# KiCad board SparkFun_BlueSMiRF-ESP32-PTH_panelized.kicad_pcb (continued)
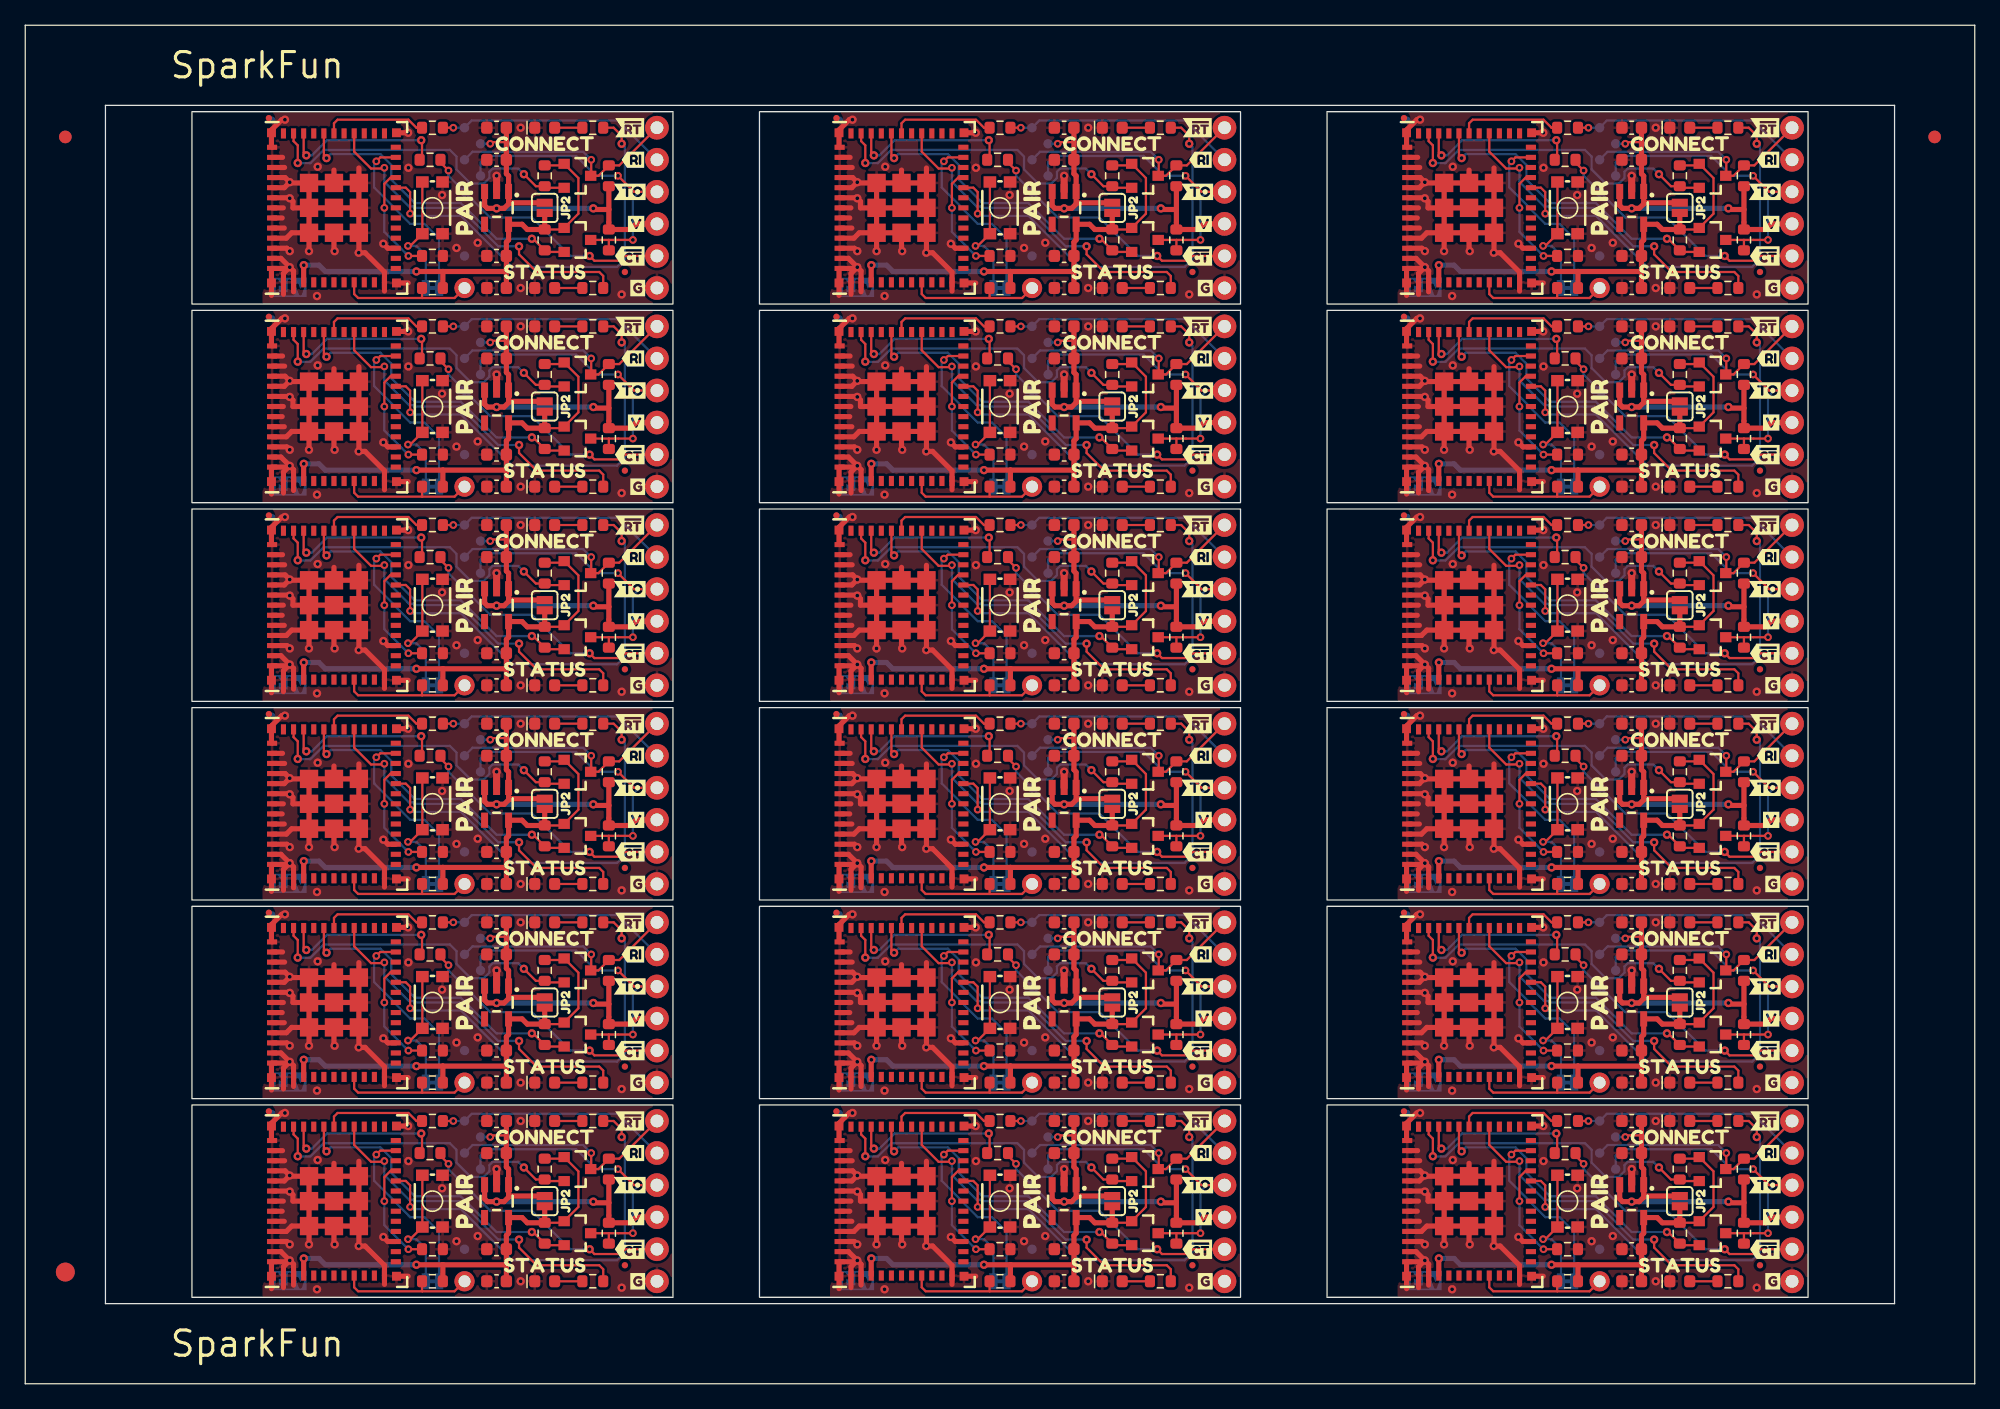
[diagram p0: board, top side]
## Placement (name value [footprint] x y rotation side) (continued)
kibuzzard-654D17D1#15  G***  [kibuzzard-654D17D1]  138.41 8.12 0 top
kibuzzard-654D17D1#16  G***  [kibuzzard-654D17D1]  138.41 39.6 0 top
kibuzzard-654D17D1#17  G***  [kibuzzard-654D17D1]  138.41 71.08 0 top
kibuzzard-654D17D1#18  G***  [kibuzzard-654D17D1]  48.51 8.12 0 top
kibuzzard-655A5C47  G***  [kibuzzard-655A5C47]  42.79 61.69 90 top
kibuzzard-655A5C47#2  G***  [kibuzzard-655A5C47]  87.74 45.95 90 top
kibuzzard-655A5C47#3  G***  [kibuzzard-655A5C47]  87.74 14.47 90 top
kibuzzard-655A5C47#4  G***  [kibuzzard-655A5C47]  42.79 30.21 90 top
kibuzzard-655A5C47#5  G***  [kibuzzard-655A5C47]  42.79 45.95 90 top
kibuzzard-655A5C47#6  G***  [kibuzzard-655A5C47]  42.79 77.43 90 top
kibuzzard-655A5C47#7  G***  [kibuzzard-655A5C47]  42.79 93.17 90 top
kibuzzard-655A5C47#8  G***  [kibuzzard-655A5C47]  87.74 30.21 90 top
kibuzzard-655A5C47#9  G***  [kibuzzard-655A5C47]  132.69 30.21 90 top
kibuzzard-655A5C47#10  G***  [kibuzzard-655A5C47]  132.69 61.69 90 top
kibuzzard-655A5C47#11  G***  [kibuzzard-655A5C47]  87.74 93.17 90 top
kibuzzard-655A5C47#12  G***  [kibuzzard-655A5C47]  87.74 61.69 90 top
kibuzzard-655A5C47#13  G***  [kibuzzard-655A5C47]  87.74 77.43 90 top
kibuzzard-655A5C47#14  G***  [kibuzzard-655A5C47]  132.69 14.47 90 top
kibuzzard-655A5C47#15  G***  [kibuzzard-655A5C47]  132.69 45.95 90 top
kibuzzard-655A5C47#16  G***  [kibuzzard-655A5C47]  132.69 77.43 90 top
kibuzzard-655A5C47#17  G***  [kibuzzard-655A5C47]  132.69 93.17 90 top
kibuzzard-655A5C47#18  G***  [kibuzzard-655A5C47]  42.79 14.47 90 top
kibuzzard-655A43AA  G***  [kibuzzard-655A43AA]  46.98 52.3 180 bottom
kibuzzard-655A43AA#2  G***  [kibuzzard-655A43AA]  46.98 83.78 180 bottom
kibuzzard-655A43AA#3  G***  [kibuzzard-655A43AA]  91.93 36.56 180 bottom
kibuzzard-655A43AA#4  G***  [kibuzzard-655A43AA]  91.93 20.82 180 bottom
kibuzzard-655A43AA#5  G***  [kibuzzard-655A43AA]  136.88 36.56 180 bottom
kibuzzard-655A43AA#6  G***  [kibuzzard-655A43AA]  136.88 99.52 180 bottom
kibuzzard-655A43AA#7  G***  [kibuzzard-655A43AA]  91.93 68.04 180 bottom
kibuzzard-655A43AA#8  G***  [kibuzzard-655A43AA]  136.88 20.82 180 bottom
kibuzzard-655A43AA#9  G***  [kibuzzard-655A43AA]  46.98 36.56 180 bottom
kibuzzard-655A43AA#10  G***  [kibuzzard-655A43AA]  46.98 68.04 180 bottom
kibuzzard-655A43AA#11  G***  [kibuzzard-655A43AA]  46.98 99.52 180 bottom
kibuzzard-655A43AA#12  G***  [kibuzzard-655A43AA]  91.93 52.3 180 bottom
kibuzzard-655A43AA#13  G***  [kibuzzard-655A43AA]  91.93 83.78 180 bottom
kibuzzard-655A43AA#14  G***  [kibuzzard-655A43AA]  91.93 99.52 180 bottom
kibuzzard-655A43AA#15  G***  [kibuzzard-655A43AA]  136.88 52.3 180 bottom
kibuzzard-655A43AA#16  G***  [kibuzzard-655A43AA]  136.88 68.04 180 bottom
kibuzzard-655A43AA#17  G***  [kibuzzard-655A43AA]  136.88 83.78 180 bottom
kibuzzard-655A43AA#18  G***  [kibuzzard-655A43AA]  46.98 20.82 180 bottom
kibuzzard-655A44E1  G***  [kibuzzard-655A44E1]  92.82 78.7 0 top
kibuzzard-655A44E1#2  G***  [kibuzzard-655A44E1]  47.87 47.22 0 top
kibuzzard-655A44E1#3  G***  [kibuzzard-655A44E1]  47.87 62.96 0 top
kibuzzard-655A44E1#4  G***  [kibuzzard-655A44E1]  47.87 94.44 0 top
kibuzzard-655A44E1#5  G***  [kibuzzard-655A44E1]  47.87 78.7 0 top
kibuzzard-655A44E1#6  G***  [kibuzzard-655A44E1]  92.82 31.48 0 top
kibuzzard-655A44E1#7  G***  [kibuzzard-655A44E1]  92.82 62.96 0 top
kibuzzard-655A44E1#8  G***  [kibuzzard-655A44E1]  92.82 15.74 0 top
kibuzzard-655A44E1#9  G***  [kibuzzard-655A44E1]  47.87 31.48 0 top
kibuzzard-655A44E1#10  G***  [kibuzzard-655A44E1]  92.82 47.22 0 top
kibuzzard-655A44E1#11  G***  [kibuzzard-655A44E1]  92.82 94.44 0 top
kibuzzard-655A44E1#12  G***  [kibuzzard-655A44E1]  137.77 78.7 0 top
kibuzzard-655A44E1#13  G***  [kibuzzard-655A44E1]  137.77 31.48 0 top
kibuzzard-655A44E1#14  G***  [kibuzzard-655A44E1]  137.77 15.74 0 top
kibuzzard-655A44E1#15  G***  [kibuzzard-655A44E1]  137.77 94.44 0 top
kibuzzard-655A44E1#16  G***  [kibuzzard-655A44E1]  137.77 47.22 0 top
kibuzzard-655A44E1#17  G***  [kibuzzard-655A44E1]  137.77 62.96 0 top
kibuzzard-655A44E1#18  G***  [kibuzzard-655A44E1]  47.87 15.74 0 top
kibuzzard-655A45F8  G***  [kibuzzard-655A45F8]  81.9 8.12 180 bottom
kibuzzard-655A45F8#2  G***  [kibuzzard-655A45F8]  81.9 55.34 180 bottom
kibuzzard-655A45F8#3  G***  [kibuzzard-655A45F8]  81.9 39.6 180 bottom
kibuzzard-655A45F8#4  G***  [kibuzzard-655A45F8]  126.85 39.6 180 bottom
kibuzzard-655A45F8#5  G***  [kibuzzard-655A45F8]  81.9 86.82 180 bottom
kibuzzard-655A45F8#6  G***  [kibuzzard-655A45F8]  36.95 55.34 180 bottom
kibuzzard-655A45F8#7  G***  [kibuzzard-655A45F8]  36.95 71.08 180 bottom
kibuzzard-655A45F8#8  G***  [kibuzzard-655A45F8]  36.95 23.86 180 bottom
kibuzzard-655A45F8#9  G***  [kibuzzard-655A45F8]  36.95 39.6 180 bottom
kibuzzard-655A45F8#10  G***  [kibuzzard-655A45F8]  36.95 86.82 180 bottom
kibuzzard-655A45F8#11  G***  [kibuzzard-655A45F8]  81.9 23.86 180 bottom
kibuzzard-655A45F8#12  G***  [kibuzzard-655A45F8]  81.9 71.08 180 bottom
kibuzzard-655A45F8#13  G***  [kibuzzard-655A45F8]  126.85 8.12 180 bottom
kibuzzard-655A45F8#14  G***  [kibuzzard-655A45F8]  126.85 23.86 180 bottom
kibuzzard-655A45F8#15  G***  [kibuzzard-655A45F8]  126.85 71.08 180 bottom
kibuzzard-655A45F8#16  G***  [kibuzzard-655A45F8]  126.85 86.82 180 bottom
kibuzzard-655A45F8#17  G***  [kibuzzard-655A45F8]  126.85 55.34 180 bottom
kibuzzard-655A45F8#18  G***  [kibuzzard-655A45F8]  36.95 8.12 180 bottom
kibuzzard-655A444A  G***  [kibuzzard-655A444A]  48.12 34.02 0 top
kibuzzard-655A444A#2  G***  [kibuzzard-655A444A]  48.12 65.5 0 top
kibuzzard-655A444A#3  G***  [kibuzzard-655A444A]  93.07 96.98 0 top
kibuzzard-655A444A#4  G***  [kibuzzard-655A444A]  138.03 65.5 0 top
kibuzzard-655A444A#5  G***  [kibuzzard-655A444A]  93.07 34.02 0 top
kibuzzard-655A444A#6  G***  [kibuzzard-655A444A]  93.07 81.24 0 top
kibuzzard-655A444A#7  G***  [kibuzzard-655A444A]  48.12 96.98 0 top
kibuzzard-655A444A#8  G***  [kibuzzard-655A444A]  93.07 65.5 0 top
kibuzzard-655A444A#9  G***  [kibuzzard-655A444A]  138.03 18.28 0 top
kibuzzard-655A444A#10  G***  [kibuzzard-655A444A]  93.07 18.28 0 top
kibuzzard-655A444A#11  G***  [kibuzzard-655A444A]  138.03 81.24 0 top
kibuzzard-655A444A#12  G***  [kibuzzard-655A444A]  138.03 34.02 0 top
kibuzzard-655A444A#13  G***  [kibuzzard-655A444A]  48.12 81.24 0 top
kibuzzard-655A444A#14  G***  [kibuzzard-655A444A]  48.12 49.76 0 top
kibuzzard-655A444A#15  G***  [kibuzzard-655A444A]  93.07 49.76 0 top
kibuzzard-655A444A#16  G***  [kibuzzard-655A444A]  138.03 49.76 0 top
kibuzzard-655A444A#17  G***  [kibuzzard-655A444A]  138.03 96.98 0 top
kibuzzard-655A444A#18  G***  [kibuzzard-655A444A]  48.12 18.28 0 top
kibuzzard-655A532D  G***  [kibuzzard-655A532D]  135.99 28.94 180 bottom
kibuzzard-655A532D#2  G***  [kibuzzard-655A532D]  91.04 76.16 180 bottom
kibuzzard-655A532D#3  G***  [kibuzzard-655A532D]  91.04 13.2 180 bottom
kibuzzard-655A532D#4  G***  [kibuzzard-655A532D]  135.99 60.42 180 bottom
kibuzzard-655A532D#5  G***  [kibuzzard-655A532D]  135.99 91.9 180 bottom
kibuzzard-655A532D#6  G***  [kibuzzard-655A532D]  46.09 28.94 180 bottom
kibuzzard-655A532D#7  G***  [kibuzzard-655A532D]  46.09 76.16 180 bottom
kibuzzard-655A532D#8  G***  [kibuzzard-655A532D]  91.04 91.9 180 bottom
kibuzzard-655A532D#9  G***  [kibuzzard-655A532D]  46.09 60.42 180 bottom
kibuzzard-655A532D#10  G***  [kibuzzard-655A532D]  46.09 91.9 180 bottom
kibuzzard-655A532D#11  G***  [kibuzzard-655A532D]  91.04 28.94 180 bottom
kibuzzard-655A532D#12  G***  [kibuzzard-655A532D]  135.99 44.68 180 bottom
kibuzzard-655A532D#13  G***  [kibuzzard-655A532D]  46.09 44.68 180 bottom
kibuzzard-655A532D#14  G***  [kibuzzard-655A532D]  91.04 60.42 180 bottom
kibuzzard-655A532D#15  G***  [kibuzzard-655A532D]  135.99 13.2 180 bottom
kibuzzard-655A532D#16  G***  [kibuzzard-655A532D]  91.04 44.68 180 bottom
kibuzzard-655A532D#17  G***  [kibuzzard-655A532D]  135.99 76.16 180 bottom
kibuzzard-655A532D#18  G***  [kibuzzard-655A532D]  46.09 13.2 180 bottom
kibuzzard-655A4368  G***  [kibuzzard-655A4368]  137.77 99.52 0 top
kibuzzard-655A4368#2  G***  [kibuzzard-655A4368]  137.77 83.78 0 top
kibuzzard-655A4368#3  G***  [kibuzzard-655A4368]  137.77 20.82 0 top
kibuzzard-655A4368#4  G***  [kibuzzard-655A4368]  92.82 20.82 0 top
kibuzzard-655A4368#5  G***  [kibuzzard-655A4368]  137.77 52.3 0 top
kibuzzard-655A4368#6  G***  [kibuzzard-655A4368]  47.87 36.56 0 top
kibuzzard-655A4368#7  G***  [kibuzzard-655A4368]  47.87 99.52 0 top
kibuzzard-655A4368#8  G***  [kibuzzard-655A4368]  47.87 52.3 0 top
kibuzzard-655A4368#9  G***  [kibuzzard-655A4368]  47.87 83.78 0 top
kibuzzard-655A4368#10  G***  [kibuzzard-655A4368]  92.82 36.56 0 top
kibuzzard-655A4368#11  G***  [kibuzzard-655A4368]  92.82 52.3 0 top
kibuzzard-655A4368#12  G***  [kibuzzard-655A4368]  92.82 68.04 0 top
kibuzzard-655A4368#13  G***  [kibuzzard-655A4368]  92.82 83.78 0 top
kibuzzard-655A4368#14  G***  [kibuzzard-655A4368]  47.87 68.04 0 top
kibuzzard-655A4368#15  G***  [kibuzzard-655A4368]  92.82 99.52 0 top
kibuzzard-655A4368#16  G***  [kibuzzard-655A4368]  137.77 36.56 0 top
kibuzzard-655A4368#17  G***  [kibuzzard-655A4368]  137.77 68.04 0 top
kibuzzard-655A4368#18  G***  [kibuzzard-655A4368]  47.87 20.82 0 top
kibuzzard-655A4384  G***  [kibuzzard-655A4384]  47.87 26.4 0 top
kibuzzard-655A4384#2  G***  [kibuzzard-655A4384]  47.87 42.14 0 top
kibuzzard-655A4384#3  G***  [kibuzzard-655A4384]  47.87 73.62 0 top
kibuzzard-655A4384#4  G***  [kibuzzard-655A4384]  47.87 89.36 0 top
kibuzzard-655A4384#5  G***  [kibuzzard-655A4384]  92.82 10.66 0 top
kibuzzard-655A4384#6  G***  [kibuzzard-655A4384]  47.87 57.88 0 top
kibuzzard-655A4384#7  G***  [kibuzzard-655A4384]  137.77 42.14 0 top
kibuzzard-655A4384#8  G***  [kibuzzard-655A4384]  92.82 89.36 0 top
kibuzzard-655A4384#9  G***  [kibuzzard-655A4384]  137.77 73.62 0 top
kibuzzard-655A4384#10  G***  [kibuzzard-655A4384]  92.82 42.14 0 top
kibuzzard-655A4384#11  G***  [kibuzzard-655A4384]  137.77 10.66 0 top
kibuzzard-655A4384#12  G***  [kibuzzard-655A4384]  92.82 57.88 0 top
kibuzzard-655A4384#13  G***  [kibuzzard-655A4384]  92.82 73.62 0 top
kibuzzard-655A4384#14  G***  [kibuzzard-655A4384]  137.77 26.4 0 top
kibuzzard-655A4384#15  G***  [kibuzzard-655A4384]  137.77 89.36 0 top
kibuzzard-655A4384#16  G***  [kibuzzard-655A4384]  92.82 26.4 0 top
kibuzzard-655A4384#17  G***  [kibuzzard-655A4384]  137.77 57.88 0 top
kibuzzard-655A4384#18  G***  [kibuzzard-655A4384]  47.87 10.66 0 top
kibuzzard-655A4397  G***  [kibuzzard-655A4397]  46.98 26.4 180 bottom
kibuzzard-655A4397#2  G***  [kibuzzard-655A4397]  46.98 73.62 180 bottom
kibuzzard-655A4397#3  G***  [kibuzzard-655A4397]  91.93 10.66 180 bottom
kibuzzard-655A4397#4  G***  [kibuzzard-655A4397]  91.93 42.14 180 bottom
kibuzzard-655A4397#5  G***  [kibuzzard-655A4397]  46.98 42.14 180 bottom
kibuzzard-655A4397#6  G***  [kibuzzard-655A4397]  46.98 57.88 180 bottom
kibuzzard-655A4397#7  G***  [kibuzzard-655A4397]  46.98 89.36 180 bottom
kibuzzard-655A4397#8  G***  [kibuzzard-655A4397]  91.93 26.4 180 bottom
kibuzzard-655A4397#9  G***  [kibuzzard-655A4397]  136.88 42.14 180 bottom
kibuzzard-655A4397#10  G***  [kibuzzard-655A4397]  136.88 89.36 180 bottom
kibuzzard-655A4397#11  G***  [kibuzzard-655A4397]  91.93 57.88 180 bottom
kibuzzard-655A4397#12  G***  [kibuzzard-655A4397]  136.88 57.88 180 bottom
kibuzzard-655A4397#13  G***  [kibuzzard-655A4397]  136.88 73.62 180 bottom
kibuzzard-655A4397#14  G***  [kibuzzard-655A4397]  136.88 26.4 180 bottom
kibuzzard-655A4397#15  G***  [kibuzzard-655A4397]  136.88 10.66 180 bottom
kibuzzard-655A4397#16  G***  [kibuzzard-655A4397]  91.93 73.62 180 bottom
kibuzzard-655A4397#17  G***  [kibuzzard-655A4397]  91.93 89.36 180 bottom
kibuzzard-655A4397#18  G***  [kibuzzard-655A4397]  46.98 10.66 180 bottom
kibuzzard-655A4470  G***  [kibuzzard-655A4470]  137.26 49.76 180 bottom
kibuzzard-655A4470#2  G***  [kibuzzard-655A4470]  137.26 81.24 180 bottom
kibuzzard-655A4470#3  G***  [kibuzzard-655A4470]  47.36 65.5 180 bottom
kibuzzard-655A4470#4  G***  [kibuzzard-655A4470]  47.36 81.24 180 bottom
kibuzzard-655A4470#5  G***  [kibuzzard-655A4470]  137.26 34.02 180 bottom
kibuzzard-655A4470#6  G***  [kibuzzard-655A4470]  47.36 34.02 180 bottom
kibuzzard-655A4470#7  G***  [kibuzzard-655A4470]  47.36 49.76 180 bottom
kibuzzard-655A4470#8  G***  [kibuzzard-655A4470]  47.36 96.98 180 bottom
kibuzzard-655A4470#9  G***  [kibuzzard-655A4470]  92.31 18.28 180 bottom
kibuzzard-655A4470#10  G***  [kibuzzard-655A4470]  137.26 18.28 180 bottom
kibuzzard-655A4470#11  G***  [kibuzzard-655A4470]  92.31 81.24 180 bottom
kibuzzard-655A4470#12  G***  [kibuzzard-655A4470]  92.31 34.02 180 bottom
kibuzzard-655A4470#13  G***  [kibuzzard-655A4470]  92.31 49.76 180 bottom
kibuzzard-655A4470#14  G***  [kibuzzard-655A4470]  92.31 96.98 180 bottom
kibuzzard-655A4470#15  G***  [kibuzzard-655A4470]  92.31 65.5 180 bottom
kibuzzard-655A4470#16  G***  [kibuzzard-655A4470]  137.26 65.5 180 bottom
kibuzzard-655A4470#17  G***  [kibuzzard-655A4470]  137.26 96.98 180 bottom
kibuzzard-655A4470#18  G***  [kibuzzard-655A4470]  47.36 18.28 180 bottom
kibuzzard-655A4492  G***  [kibuzzard-655A4492]  91.93 47.22 180 bottom
kibuzzard-655A4492#2  G***  [kibuzzard-655A4492]  136.88 15.74 180 bottom
kibuzzard-655A4492#3  G***  [kibuzzard-655A4492]  91.93 31.48 180 bottom
kibuzzard-655A4492#4  G***  [kibuzzard-655A4492]  136.88 47.22 180 bottom
kibuzzard-655A4492#5  G***  [kibuzzard-655A4492]  46.98 31.48 180 bottom
kibuzzard-655A4492#6  G***  [kibuzzard-655A4492]  46.98 47.22 180 bottom
kibuzzard-655A4492#7  G***  [kibuzzard-655A4492]  46.98 62.96 180 bottom
kibuzzard-655A4492#8  G***  [kibuzzard-655A4492]  46.98 94.44 180 bottom
kibuzzard-655A4492#9  G***  [kibuzzard-655A4492]  91.93 15.74 180 bottom
kibuzzard-655A4492#10  G***  [kibuzzard-655A4492]  91.93 78.7 180 bottom
kibuzzard-655A4492#11  G***  [kibuzzard-655A4492]  91.93 94.44 180 bottom
kibuzzard-655A4492#12  G***  [kibuzzard-655A4492]  136.88 31.48 180 bottom
kibuzzard-655A4492#13  G***  [kibuzzard-655A4492]  136.88 78.7 180 bottom
kibuzzard-655A4492#14  G***  [kibuzzard-655A4492]  136.88 94.44 180 bottom
kibuzzard-655A4492#15  G***  [kibuzzard-655A4492]  46.98 78.7 180 bottom
kibuzzard-655A4492#16  G***  [kibuzzard-655A4492]  91.93 62.96 180 bottom
kibuzzard-655A4492#17  G***  [kibuzzard-655A4492]  136.88 62.96 180 bottom
kibuzzard-655A4492#18  G***  [kibuzzard-655A4492]  46.98 15.74 180 bottom
kibuzzard-65022EAF  G***  [kibuzzard-65022EAF]  47.24 39.6 180 bottom
kibuzzard-65022EAF#2  G***  [kibuzzard-65022EAF]  47.24 23.86 180 bottom
kibuzzard-65022EAF#3  G***  [kibuzzard-65022EAF]  137.14 39.6 180 bottom
kibuzzard-65022EAF#4  G***  [kibuzzard-65022EAF]  92.19 86.82 180 bottom
kibuzzard-65022EAF#5  G***  [kibuzzard-65022EAF]  92.19 23.86 180 bottom
kibuzzard-65022EAF#6  G***  [kibuzzard-65022EAF]  47.24 86.82 180 bottom
kibuzzard-65022EAF#7  G***  [kibuzzard-65022EAF]  137.14 8.12 180 bottom
kibuzzard-65022EAF#8  G***  [kibuzzard-65022EAF]  137.14 23.86 180 bottom
kibuzzard-65022EAF#9  G***  [kibuzzard-65022EAF]  92.19 39.6 180 bottom
kibuzzard-65022EAF#10  G***  [kibuzzard-65022EAF]  92.19 71.08 180 bottom
kibuzzard-65022EAF#11  G***  [kibuzzard-65022EAF]  137.14 86.82 180 bottom
kibuzzard-65022EAF#12  G***  [kibuzzard-65022EAF]  47.24 55.34 180 bottom
kibuzzard-65022EAF#13  G***  [kibuzzard-65022EAF]  92.19 8.12 180 bottom
kibuzzard-65022EAF#14  G***  [kibuzzard-65022EAF]  47.24 71.08 180 bottom
kibuzzard-65022EAF#15  G***  [kibuzzard-65022EAF]  92.19 55.34 180 bottom
kibuzzard-65022EAF#16  G***  [kibuzzard-65022EAF]  137.14 55.34 180 bottom
kibuzzard-65022EAF#17  G***  [kibuzzard-65022EAF]  137.14 71.08 180 bottom
kibuzzard-65022EAF#18  G***  [kibuzzard-65022EAF]  47.24 8.12 180 bottom
kibuzzard-65022F1B  G***  [kibuzzard-65022F1B]  29.33 23.85 180 bottom
kibuzzard-65022F1B#2  G***  [kibuzzard-65022F1B]  29.33 39.59 180 bottom
kibuzzard-65022F1B#3  G***  [kibuzzard-65022F1B]  119.23 23.85 180 bottom
kibuzzard-65022F1B#4  G***  [kibuzzard-65022F1B]  119.23 86.81 180 bottom
kibuzzard-65022F1B#5  G***  [kibuzzard-65022F1B]  74.28 8.11 180 bottom
kibuzzard-65022F1B#6  G***  [kibuzzard-65022F1B]  119.23 55.33 180 bottom
kibuzzard-65022F1B#7  G***  [kibuzzard-65022F1B]  119.23 39.59 180 bottom
kibuzzard-65022F1B#8  G***  [kibuzzard-65022F1B]  74.28 39.59 180 bottom
kibuzzard-65022F1B#9  G***  [kibuzzard-65022F1B]  29.33 55.33 180 bottom
kibuzzard-65022F1B#10  G***  [kibuzzard-65022F1B]  74.28 86.81 180 bottom
kibuzzard-65022F1B#11  G***  [kibuzzard-65022F1B]  74.28 55.33 180 bottom
kibuzzard-65022F1B#12  G***  [kibuzzard-65022F1B]  29.33 86.81 180 bottom
kibuzzard-65022F1B#13  G***  [kibuzzard-65022F1B]  74.28 71.07 180 bottom
kibuzzard-65022F1B#14  G***  [kibuzzard-65022F1B]  119.23 71.07 180 bottom
kibuzzard-65022F1B#15  G***  [kibuzzard-65022F1B]  74.28 23.85 180 bottom
kibuzzard-65022F1B#16  G***  [kibuzzard-65022F1B]  29.33 71.07 180 bottom
kibuzzard-65022F1B#17  G***  [kibuzzard-65022F1B]  119.23 8.11 180 bottom
kibuzzard-65022F1B#18  G***  [kibuzzard-65022F1B]  29.33 8.11 180 bottom
kibuzzard-6502231B  G***  [kibuzzard-6502231B]  79.74 30.21 90 top
kibuzzard-6502231B#2  G***  [kibuzzard-6502231B]  79.74 93.17 90 top
kibuzzard-6502231B#3  G***  [kibuzzard-6502231B]  124.69 30.21 90 top
kibuzzard-6502231B#4  G***  [kibuzzard-6502231B]  124.69 61.69 90 top
kibuzzard-6502231B#5  G***  [kibuzzard-6502231B]  79.74 45.95 90 top
kibuzzard-6502231B#6  G***  [kibuzzard-6502231B]  34.79 45.95 90 top
kibuzzard-6502231B#7  G***  [kibuzzard-6502231B]  79.74 14.47 90 top
kibuzzard-6502231B#8  G***  [kibuzzard-6502231B]  79.74 61.69 90 top
kibuzzard-6502231B#9  G***  [kibuzzard-6502231B]  34.79 77.43 90 top
kibuzzard-6502231B#10  G***  [kibuzzard-6502231B]  34.79 61.69 90 top
kibuzzard-6502231B#11  G***  [kibuzzard-6502231B]  34.79 93.17 90 top
kibuzzard-6502231B#12  G***  [kibuzzard-6502231B]  34.79 30.21 90 top
kibuzzard-6502231B#13  G***  [kibuzzard-6502231B]  79.74 77.43 90 top
kibuzzard-6502231B#14  G***  [kibuzzard-6502231B]  124.69 14.47 90 top
kibuzzard-6502231B#15  G***  [kibuzzard-6502231B]  124.69 45.95 90 top
kibuzzard-6502231B#16  G***  [kibuzzard-6502231B]  124.69 93.17 90 top
kibuzzard-6502231B#17  G***  [kibuzzard-6502231B]  124.69 77.43 90 top
kibuzzard-6502231B#18  G***  [kibuzzard-6502231B]  34.79 14.47 90 top
kibuzzard-6502302E  G***  [kibuzzard-6502302E]  86.09 19.55 0 top
kibuzzard-6502302E#2  G***  [kibuzzard-6502302E]  41.14 35.29 0 top
kibuzzard-6502302E#3  G***  [kibuzzard-6502302E]  86.09 35.29 0 top
kibuzzard-6502302E#4  G***  [kibuzzard-6502302E]  131.04 66.77 0 top
kibuzzard-6502302E#5  G***  [kibuzzard-6502302E]  41.14 98.25 0 top
kibuzzard-6502302E#6  G***  [kibuzzard-6502302E]  131.04 51.03 0 top
kibuzzard-6502302E#7  G***  [kibuzzard-6502302E]  86.09 51.03 0 top
kibuzzard-6502302E#8  G***  [kibuzzard-6502302E]  131.04 98.25 0 top
kibuzzard-6502302E#9  G***  [kibuzzard-6502302E]  41.14 82.51 0 top
kibuzzard-6502302E#10  G***  [kibuzzard-6502302E]  41.14 51.03 0 top
kibuzzard-6502302E#11  G***  [kibuzzard-6502302E]  86.09 66.77 0 top
kibuzzard-6502302E#12  G***  [kibuzzard-6502302E]  86.09 98.25 0 top
kibuzzard-6502302E#13  G***  [kibuzzard-6502302E]  131.04 19.55 0 top
kibuzzard-6502302E#14  G***  [kibuzzard-6502302E]  41.14 66.77 0 top
kibuzzard-6502302E#15  G***  [kibuzzard-6502302E]  86.09 82.51 0 top
kibuzzard-6502302E#16  G***  [kibuzzard-6502302E]  131.04 35.29 0 top
kibuzzard-6502302E#17  G***  [kibuzzard-6502302E]  131.04 82.51 0 top
kibuzzard-6502302E#18  G***  [kibuzzard-6502302E]  41.14 19.55 0 top
kibuzzard-65023040  G***  [kibuzzard-65023040]  131.04 25.13 0 top
kibuzzard-65023040#2  G***  [kibuzzard-65023040]  86.09 72.35 0 top
kibuzzard-65023040#3  G***  [kibuzzard-65023040]  86.09 9.39 0 top
kibuzzard-65023040#4  G***  [kibuzzard-65023040]  86.09 40.87 0 top
kibuzzard-65023040#5  G***  [kibuzzard-65023040]  86.09 25.13 0 top
kibuzzard-65023040#6  G***  [kibuzzard-65023040]  131.04 72.35 0 top
kibuzzard-65023040#7  G***  [kibuzzard-65023040]  41.14 40.87 0 top
kibuzzard-65023040#8  G***  [kibuzzard-65023040]  131.04 40.87 0 top
kibuzzard-65023040#9  G***  [kibuzzard-65023040]  41.14 88.09 0 top
kibuzzard-65023040#10  G***  [kibuzzard-65023040]  86.09 88.09 0 top
kibuzzard-65023040#11  G***  [kibuzzard-65023040]  41.14 56.61 0 top
kibuzzard-65023040#12  G***  [kibuzzard-65023040]  131.04 9.39 0 top
kibuzzard-65023040#13  G***  [kibuzzard-65023040]  86.09 56.61 0 top
kibuzzard-65023040#14  G***  [kibuzzard-65023040]  41.14 72.35 0 top
kibuzzard-65023040#15  G***  [kibuzzard-65023040]  131.04 56.61 0 top
kibuzzard-65023040#16  G***  [kibuzzard-65023040]  131.04 88.09 0 top
kibuzzard-65023040#17  G***  [kibuzzard-65023040]  41.14 25.13 0 top
kibuzzard-65023040#18  G***  [kibuzzard-65023040]  41.14 9.39 0 top
NOREF  -  [Fiducial_1mm_Mask3mm]  3.17 98.79 0 top
NOREF#2  -  [Fiducial_1mm_Mask3mm]  151.22 98.79 0 top
NOREF#3  -  [Fiducial_1.5mm_Mask3mm]  3.17 8.85 0 top
NOREF#4  -  [Fiducial_1.5mm_Mask3mm]  3.17 8.85 0 bottom
NOREF#5  -  [Fiducial_1mm_Mask3mm]  3.17 98.79 0 bottom
NOREF#6  -  [Fiducial_1mm_Mask3mm]  151.22 98.79 0 bottom
Q1  Q_NMOS_DGS  [SOT23-3]  133.58 27.67 0 top
Q1#2  Q_NMOS_DGS  [SOT23-3]  133.58 43.41 0 top
Q1#3  Q_NMOS_DGS  [SOT23-3]  88.63 43.41 0 top
Q1#4  Q_NMOS_DGS  [SOT23-3]  133.58 90.63 0 top
Q1#5  Q_NMOS_DGS  [SOT23-3]  43.68 43.41 0 top
Q1#6  Q_NMOS_DGS  [SOT23-3]  88.63 59.15 0 top
Q1#7  Q_NMOS_DGS  [SOT23-3]  88.63 27.67 0 top
Q1#8  Q_NMOS_DGS  [SOT23-3]  43.68 74.89 0 top
Q1#9  Q_NMOS_DGS  [SOT23-3]  43.68 90.63 0 top
Q1#10  Q_NMOS_DGS  [SOT23-3]  88.63 90.63 0 top
Q1#11  Q_NMOS_DGS  [SOT23-3]  133.58 11.93 0 top
Q1#12  Q_NMOS_DGS  [SOT23-3]  88.63 11.93 0 top
Q1#13  Q_NMOS_DGS  [SOT23-3]  43.68 27.67 0 top
Q1#14  Q_NMOS_DGS  [SOT23-3]  43.68 59.15 0 top
Q1#15  Q_NMOS_DGS  [SOT23-3]  88.63 74.89 0 top
Q1#16  Q_NMOS_DGS  [SOT23-3]  133.58 59.15 0 top
Q1#17  Q_NMOS_DGS  [SOT23-3]  133.58 74.89 0 top
Q1#18  Q_NMOS_DGS  [SOT23-3]  43.68 11.93 0 top
Q2  Q_NMOS_DGS  [SOT23-3]  43.68 79.97 0 top
Q2#2  Q_NMOS_DGS  [SOT23-3]  88.63 79.97 0 top
Q2#3  Q_NMOS_DGS  [SOT23-3]  43.68 32.75 0 top
Q2#4  Q_NMOS_DGS  [SOT23-3]  88.63 64.23 0 top
Q2#5  Q_NMOS_DGS  [SOT23-3]  133.58 79.97 0 top
Q2#6  Q_NMOS_DGS  [SOT23-3]  43.68 64.23 0 top
Q2#7  Q_NMOS_DGS  [SOT23-3]  43.68 95.71 0 top
Q2#8  Q_NMOS_DGS  [SOT23-3]  88.63 17.01 0 top
Q2#9  Q_NMOS_DGS  [SOT23-3]  43.68 48.49 0 top
Q2#10  Q_NMOS_DGS  [SOT23-3]  88.63 32.75 0 top
Q2#11  Q_NMOS_DGS  [SOT23-3]  88.63 48.49 0 top
Q2#12  Q_NMOS_DGS  [SOT23-3]  88.63 95.71 0 top
Q2#13  Q_NMOS_DGS  [SOT23-3]  133.58 17.01 0 top
Q2#14  Q_NMOS_DGS  [SOT23-3]  133.58 32.75 0 top
Q2#15  Q_NMOS_DGS  [SOT23-3]  133.58 48.49 0 top
Q2#16  Q_NMOS_DGS  [SOT23-3]  133.58 64.23 0 top
Q2#17  Q_NMOS_DGS  [SOT23-3]  133.58 95.71 0 top
Q2#18  Q_NMOS_DGS  [SOT23-3]  43.68 17.01 0 top
R1  4.7k  [R_0603_1608Metric]  122.15 86.82 180 top
R1#2  4.7k  [R_0603_1608Metric]  77.2 39.6 180 top
R1#3  4.7k  [R_0603_1608Metric]  122.15 71.08 180 top
R1#4  4.7k  [R_0603_1608Metric]  77.2 86.82 180 top
R1#5  4.7k  [R_0603_1608Metric]  77.2 71.08 180 top
R1#6  4.7k  [R_0603_1608Metric]  122.15 23.86 180 top
R1#7  4.7k  [R_0603_1608Metric]  77.2 55.34 180 top
R1#8  4.7k  [R_0603_1608Metric]  122.15 39.6 180 top
R1#9  4.7k  [R_0603_1608Metric]  122.15 8.12 180 top
R1#10  4.7k  [R_0603_1608Metric]  122.15 55.34 180 top
R1#11  4.7k  [R_0603_1608Metric]  32.25 23.86 180 top
R1#12  4.7k  [R_0603_1608Metric]  32.25 71.08 180 top
R1#13  4.7k  [R_0603_1608Metric]  32.25 86.82 180 top
R1#14  4.7k  [R_0603_1608Metric]  77.2 23.86 180 top
R1#15  4.7k  [R_0603_1608Metric]  32.25 39.6 180 top
R1#16  4.7k  [R_0603_1608Metric]  32.25 55.34 180 top
R1#17  4.7k  [R_0603_1608Metric]  77.2 8.12 180 top
R1#18  4.7k  [R_0603_1608Metric]  32.25 8.12 180 top
R2  10k  [R_0603_1608Metric]  32.25 57.88 0 top
R2#2  10k  [R_0603_1608Metric]  77.2 42.14 0 top
R2#3  10k  [R_0603_1608Metric]  77.2 89.36 0 top
R2#4  10k  [R_0603_1608Metric]  122.15 26.4 0 top
R2#5  10k  [R_0603_1608Metric]  122.15 89.36 0 top
R2#6  10k  [R_0603_1608Metric]  32.25 42.14 0 top
R2#7  10k  [R_0603_1608Metric]  32.25 26.4 0 top
R2#8  10k  [R_0603_1608Metric]  32.25 73.62 0 top
R2#9  10k  [R_0603_1608Metric]  32.25 89.36 0 top
R2#10  10k  [R_0603_1608Metric]  77.2 10.66 0 top
R2#11  10k  [R_0603_1608Metric]  77.2 26.4 0 top
R2#12  10k  [R_0603_1608Metric]  77.2 57.88 0 top
R2#13  10k  [R_0603_1608Metric]  77.2 73.62 0 top
R2#14  10k  [R_0603_1608Metric]  122.15 10.66 0 top
R2#15  10k  [R_0603_1608Metric]  122.15 42.14 0 top
R2#16  10k  [R_0603_1608Metric]  122.15 57.88 0 top
R2#17  10k  [R_0603_1608Metric]  122.15 73.62 0 top
R2#18  10k  [R_0603_1608Metric]  32.25 10.66 0 top
R3  1k  [R_0603_1608Metric]  77.2 52.3 0 top
R3#2  1k  [R_0603_1608Metric]  32.25 52.3 0 top
R3#3  1k  [R_0603_1608Metric]  32.25 68.04 0 top
R3#4  1k  [R_0603_1608Metric]  32.25 36.56 0 top
R3#5  1k  [R_0603_1608Metric]  32.25 83.78 0 top
R3#6  1k  [R_0603_1608Metric]  77.2 36.56 0 top
R3#7  1k  [R_0603_1608Metric]  77.2 20.82 0 top
R3#8  1k  [R_0603_1608Metric]  32.25 99.52 0 top
R3#9  1k  [R_0603_1608Metric]  77.2 68.04 0 top
R3#10  1k  [R_0603_1608Metric]  77.2 83.78 0 top
R3#11  1k  [R_0603_1608Metric]  77.2 99.52 0 top
R3#12  1k  [R_0603_1608Metric]  122.15 52.3 0 top
R3#13  1k  [R_0603_1608Metric]  122.15 83.78 0 top
R3#14  1k  [R_0603_1608Metric]  122.15 99.52 0 top
R3#15  1k  [R_0603_1608Metric]  122.15 68.04 0 top
R3#16  1k  [R_0603_1608Metric]  122.15 20.82 0 top
R3#17  1k  [R_0603_1608Metric]  122.15 36.56 0 top
R3#18  1k  [R_0603_1608Metric]  32.25 20.82 0 top
R4  1k  [R_0603_1608Metric]  32.06 49.76 0 top
R4#2  1k  [R_0603_1608Metric]  77.01 18.28 0 top
R4#3  1k  [R_0603_1608Metric]  77.01 49.76 0 top
R4#4  1k  [R_0603_1608Metric]  77.01 81.24 0 top
R4#5  1k  [R_0603_1608Metric]  121.96 18.28 0 top
R4#6  1k  [R_0603_1608Metric]  32.06 34.02 0 top
R4#7  1k  [R_0603_1608Metric]  32.06 65.5 0 top
R4#8  1k  [R_0603_1608Metric]  32.06 81.24 0 top
R4#9  1k  [R_0603_1608Metric]  32.06 96.98 0 top
R4#10  1k  [R_0603_1608Metric]  77.01 34.02 0 top
R4#11  1k  [R_0603_1608Metric]  77.01 65.5 0 top
R4#12  1k  [R_0603_1608Metric]  77.01 96.98 0 top
R4#13  1k  [R_0603_1608Metric]  121.96 96.98 0 top
R4#14  1k  [R_0603_1608Metric]  121.96 81.24 0 top
R4#15  1k  [R_0603_1608Metric]  121.96 34.02 0 top
R4#16  1k  [R_0603_1608Metric]  121.96 49.76 0 top
R4#17  1k  [R_0603_1608Metric]  121.96 65.5 0 top
R4#18  1k  [R_0603_1608Metric]  32.06 18.28 0 top
R5  330  [R_0603_1608Metric]  134.85 52.3 180 top
R5#2  330  [R_0603_1608Metric]  134.85 83.78 180 top
R5#3  330  [R_0603_1608Metric]  134.85 99.52 180 top
R5#4  330  [R_0603_1608Metric]  89.9 20.82 180 top
R5#5  330  [R_0603_1608Metric]  44.95 68.04 180 top
R5#6  330  [R_0603_1608Metric]  44.95 99.52 180 top
R5#7  330  [R_0603_1608Metric]  44.95 83.78 180 top
R5#8  330  [R_0603_1608Metric]  89.9 36.56 180 top
R5#9  330  [R_0603_1608Metric]  89.9 52.3 180 top
R5#10  330  [R_0603_1608Metric]  89.9 83.78 180 top
R5#11  330  [R_0603_1608Metric]  89.9 99.52 180 top
R5#12  330  [R_0603_1608Metric]  134.85 36.56 180 top
R5#13  330  [R_0603_1608Metric]  44.95 36.56 180 top
R5#14  330  [R_0603_1608Metric]  89.9 68.04 180 top
R5#15  330  [R_0603_1608Metric]  134.85 20.82 180 top
R5#16  330  [R_0603_1608Metric]  44.95 52.3 180 top
R5#17  330  [R_0603_1608Metric]  134.85 68.04 180 top
R5#18  330  [R_0603_1608Metric]  44.95 20.82 180 top
R6  4.7k  [R_0603_1608Metric]  134.85 86.82 180 top
R6#2  4.7k  [R_0603_1608Metric]  89.9 8.12 180 top
R6#3  4.7k  [R_0603_1608Metric]  134.85 8.12 180 top
R6#4  4.7k  [R_0603_1608Metric]  44.95 55.34 180 top
R6#5  4.7k  [R_0603_1608Metric]  44.95 71.08 180 top
R6#6  4.7k  [R_0603_1608Metric]  44.95 39.6 180 top
R6#7  4.7k  [R_0603_1608Metric]  89.9 86.82 180 top
R6#8  4.7k  [R_0603_1608Metric]  134.85 39.6 180 top
R6#9  4.7k  [R_0603_1608Metric]  134.85 55.34 180 top
R6#10  4.7k  [R_0603_1608Metric]  89.9 23.86 180 top
R6#11  4.7k  [R_0603_1608Metric]  89.9 39.6 180 top
R6#12  4.7k  [R_0603_1608Metric]  89.9 71.08 180 top
R6#13  4.7k  [R_0603_1608Metric]  44.95 23.86 180 top
R6#14  4.7k  [R_0603_1608Metric]  44.95 86.82 180 top
R6#15  4.7k  [R_0603_1608Metric]  89.9 55.34 180 top
R6#16  4.7k  [R_0603_1608Metric]  134.85 23.86 180 top
R6#17  4.7k  [R_0603_1608Metric]  134.85 71.08 180 top
R6#18  4.7k  [R_0603_1608Metric]  44.95 8.12 180 top
R7  1k  [R_0603_1608Metric]  41.14 59.15 270 top
R7#2  1k  [R_0603_1608Metric]  86.09 90.63 270 top
R7#3  1k  [R_0603_1608Metric]  41.14 27.67 270 top
R7#4  1k  [R_0603_1608Metric]  86.09 59.15 270 top
R7#5  1k  [R_0603_1608Metric]  131.04 74.89 270 top
R7#6  1k  [R_0603_1608Metric]  86.09 74.89 270 top
R7#7  1k  [R_0603_1608Metric]  86.09 11.93 270 top
R7#8  1k  [R_0603_1608Metric]  41.14 43.41 270 top
R7#9  1k  [R_0603_1608Metric]  86.09 27.67 270 top
R7#10  1k  [R_0603_1608Metric]  86.09 43.41 270 top
R7#11  1k  [R_0603_1608Metric]  41.14 90.63 270 top
R7#12  1k  [R_0603_1608Metric]  41.14 74.89 270 top
R7#13  1k  [R_0603_1608Metric]  131.04 11.93 270 top
R7#14  1k  [R_0603_1608Metric]  131.04 27.67 270 top
R7#15  1k  [R_0603_1608Metric]  131.04 43.41 270 top
R7#16  1k  [R_0603_1608Metric]  131.04 59.15 270 top
R7#17  1k  [R_0603_1608Metric]  131.04 90.63 270 top
R7#18  1k  [R_0603_1608Metric]  41.14 11.93 270 top
R8  1k  [R_0603_1608Metric]  41.14 48.49 270 top
R8#2  1k  [R_0603_1608Metric]  41.14 32.75 270 top
R8#3  1k  [R_0603_1608Metric]  41.14 64.23 270 top
R8#4  1k  [R_0603_1608Metric]  41.14 79.97 270 top
R8#5  1k  [R_0603_1608Metric]  41.14 95.71 270 top
R8#6  1k  [R_0603_1608Metric]  86.09 32.75 270 top
R8#7  1k  [R_0603_1608Metric]  86.09 48.49 270 top
R8#8  1k  [R_0603_1608Metric]  86.09 17.01 270 top
R8#9  1k  [R_0603_1608Metric]  86.09 64.23 270 top
R8#10  1k  [R_0603_1608Metric]  86.09 79.97 270 top
R8#11  1k  [R_0603_1608Metric]  86.09 95.71 270 top
R8#12  1k  [R_0603_1608Metric]  131.04 17.01 270 top
R8#13  1k  [R_0603_1608Metric]  131.04 32.75 270 top
R8#14  1k  [R_0603_1608Metric]  131.04 48.49 270 top
R8#15  1k  [R_0603_1608Metric]  131.04 64.23 270 top
R8#16  1k  [R_0603_1608Metric]  131.04 95.71 270 top
R8#17  1k  [R_0603_1608Metric]  131.04 79.97 270 top
R8#18  1k  [R_0603_1608Metric]  41.14 17.01 270 top
R9  1k  [R_0603_1608Metric]  46.22 59.15 270 top
R9#2  1k  [R_0603_1608Metric]  91.17 27.67 270 top
R9#3  1k  [R_0603_1608Metric]  91.17 74.89 270 top
R9#4  1k  [R_0603_1608Metric]  91.17 43.41 270 top
R9#5  1k  [R_0603_1608Metric]  46.22 27.67 270 top
R9#6  1k  [R_0603_1608Metric]  46.22 43.41 270 top
